# Altium PCB PCB_3_3G_wireless.PcbDoc (part 4 of 6)
Units mm, origin at the board's own origin, x right, y up, seen from the top; angles counter-clockwise.
Board outline 800 x 450.44 mm, 4 copper layers (Top Layer, Y1, S2, Bottom Layer), stack 0.778 mm thick; 1293 components, 1283 nets, 3356 pads, 970 vias.
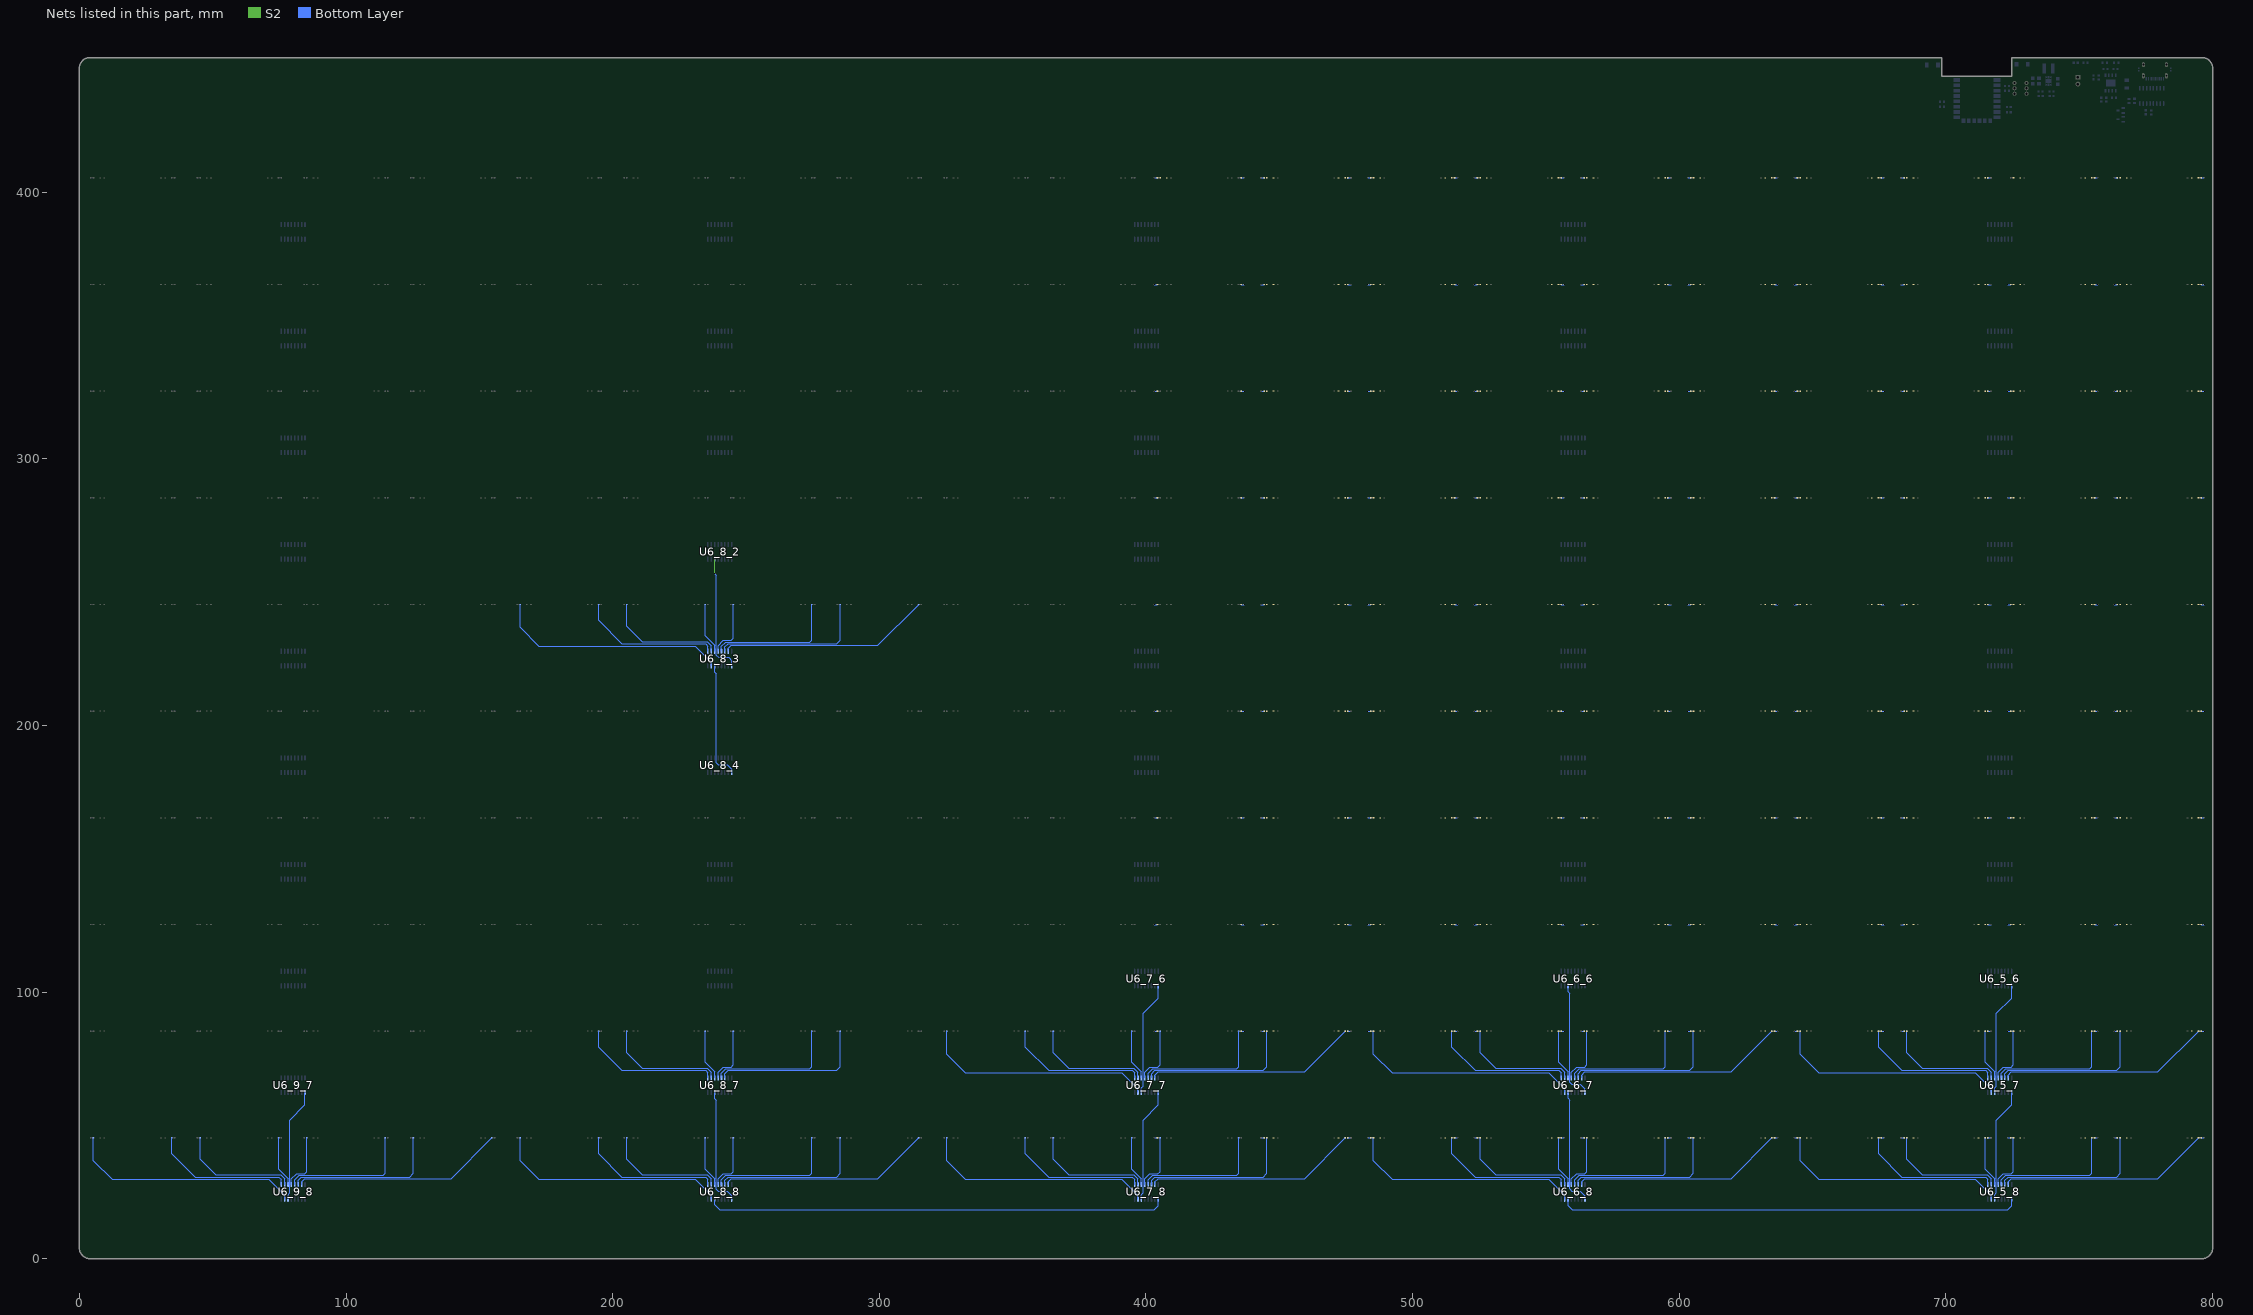
[diagram p6: the nets of this part, all layers, seen from the top]

## Via types
v1: diameter 0.5, hole 0.3, Top Layer to Bottom Layer, tented both sides, 612 vias
v2: diameter 0.45, hole 0.3, Top Layer to Bottom Layer, tented both sides, 354 vias
v3: diameter 0.6, hole 0.4, Top Layer to Bottom Layer, tented both sides, 4 vias

## Nets (pads, with @x,y where several pads share a name; then routed paths per layer and width w, separated by ;. In a path a pad name is that pad's centre, name@x,y a point inside that pad or via, vN(x,y) a via of type N, cw(c..) or ccw(c..) an arc to the next point about the centre after c; other vN are vias at no path point) (continued)
NewNet420: BR1_1_7_7.2 L19_10.1 | length 1.2
  Bottom Layer w0.254: BR1_1_7_7.2@435.723,85.308 v1(436.9,85.308)
NewNet421: BR1_1_7_6.2 L18_10.1 | length 1.2
  Bottom Layer w0.254: BR1_1_7_6.2@435.723,125.308 v1(436.9,125.308)
NewNet422: BR1_1_7_5.2 L17_10.1 | length 1.2
  Bottom Layer w0.254: BR1_1_7_5.2@435.723,165.308 v1(436.9,165.308)
NewNet423: BR1_1_7_4.2 L16_10.1 | length 1.2
  Bottom Layer w0.254: BR1_1_7_4.2@435.723,205.308 v1(436.9,205.308)
NewNet424: BR1_1_7_3.2 L15_10.1 | length 1.2
  Bottom Layer w0.254: BR1_1_7_3.2@435.723,245.308 v1(436.9,245.308)
NewNet425: BR1_1_7_2.2 L14_10.1 | length 1.2
  Bottom Layer w0.254: BR1_1_7_2.2@435.723,285.308 v1(436.9,285.308)
NewNet426: BR1_1_7_1.2 L13_10.1 | length 1.2
  Bottom Layer w0.254: BR1_1_7_1.2@435.723,325.308 v1(436.9,325.308)
NewNet427: BR1_1_7.2 L12_10.1 | length 1.2
  Bottom Layer w0.254: BR1_1_7.2@435.723,365.308 v1(436.9,365.308)
NewNet428: BR1_1_2.2 L11_10.1 | length 1.2
  Bottom Layer w0.254: BR1_1_2.2@435.723,405.308 v1(436.9,405.308)
NewNet429: BR2_1_7_8.2 L10_10.1 | length 1.2
  Bottom Layer w0.254: v1(403.1,45.308) BR2_1_7_8.2@404.276,45.308
NewNet430: BR2_1_7_7.2 L9_10.1 | length 1.2
  Bottom Layer w0.254: v1(403.1,85.308) BR2_1_7_7.2@404.276,85.308
NewNet431: BR2_1_7_6.2 L8_10.1 | length 1.2
  Bottom Layer w0.254: v1(403.1,125.308) BR2_1_7_6.2@404.276,125.308
NewNet432: BR2_1_7_5.2 L7_10.1 | length 1.2
  Bottom Layer w0.254: v1(403.1,165.308) BR2_1_7_5.2@404.276,165.308
NewNet433: BR2_1_7_4.2 L6_10.1 | length 1.2
  Bottom Layer w0.254: v1(403.1,205.308) BR2_1_7_4.2@404.276,205.308
NewNet434: BR2_1_7_3.2 L5_10.1 | length 1.2
  Bottom Layer w0.254: v1(403.1,245.308) BR2_1_7_3.2@404.276,245.308
NewNet435: BR2_1_7_2.2 L4_10.1 | length 1.2
  Bottom Layer w0.254: v1(403.1,285.308) BR2_1_7_2.2@404.276,285.308
NewNet436: BR2_1_7_1.2 L3_10.1 | length 1.2
  Bottom Layer w0.254: v1(403.1,325.308) BR2_1_7_1.2@404.276,325.308
NewNet437: BR2_1_7.2 L2_10.1 | length 1.2
  Bottom Layer w0.254: v1(403.1,365.308) BR2_1_7.2@404.276,365.308
NewNet438: BR2_1_2.2 L1_10.1 | length 1.2
  Bottom Layer w0.254: v1(403.1,405.308) BR2_1_2.2@404.276,405.308
NewNet439: D1_10.2 L1_10.2
NewNet440: D20_11.2 L20_11.2
NewNet441: D19_11.2 L19_11.2
NewNet442: D18_11.2 L18_11.2
NewNet443: D17_11.2 L17_11.2
NewNet444: D16_11.2 L16_11.2
NewNet445: D15_11.2 L15_11.2
NewNet446: D14_11.2 L14_11.2
NewNet447: D13_11.2 L13_11.2
NewNet448: D12_11.2 L12_11.2
NewNet449: D11_11.2 L11_11.2
NewNet450: D10_11.2 L10_11.2
NewNet451: D9_11.2 L9_11.2
NewNet452: D8_11.2 L8_11.2
NewNet453: D7_11.2 L7_11.2
NewNet454: D6_11.2 L6_11.2
NewNet455: D5_11.2 L5_11.2
NewNet456: D4_11.2 L4_11.2
NewNet457: D3_11.2 L3_11.2
NewNet458: D2_11.2 L2_11.2
NewNet459: BR1_10_8.2 L20_11.1 | length 1.2
  Bottom Layer w0.254: BR1_10_8.2@475.723,45.308 v1(476.9,45.308)
NewNet460: BR1_10_7.2 L19_11.1 | length 1.2
  Bottom Layer w0.254: BR1_10_7.2@475.723,85.308 v1(476.9,85.308)
NewNet461: BR1_10_6.2 L18_11.1 | length 1.2
  Bottom Layer w0.254: BR1_10_6.2@475.723,125.308 v1(476.9,125.308)
NewNet462: BR1_10_5.2 L17_11.1 | length 1.2
  Bottom Layer w0.254: BR1_10_5.2@475.723,165.308 v1(476.9,165.308)
NewNet463: BR1_10_4.2 L16_11.1 | length 1.2
  Bottom Layer w0.254: BR1_10_4.2@475.723,205.308 v1(476.9,205.308)
NewNet464: BR1_10_3.2 L15_11.1 | length 1.2
  Bottom Layer w0.254: BR1_10_3.2@475.723,245.308 v1(476.9,245.308)
NewNet465: BR1_10_2.2 L14_11.1 | length 1.2
  Bottom Layer w0.254: BR1_10_2.2@475.723,285.308 v1(476.9,285.308)
NewNet466: BR1_10_1.2 L13_11.1 | length 1.2
  Bottom Layer w0.254: BR1_10_1.2@475.723,325.308 v1(476.9,325.308)
NewNet467: BR1_10.2 L12_11.1 | length 1.2
  Bottom Layer w0.254: BR1_10.2@475.723,365.308 v1(476.9,365.308)
NewNet468: BR1_5.2 L11_11.1 | length 1.2
  Bottom Layer w0.254: BR1_5.2@475.723,405.308 v1(476.9,405.308)
NewNet469: BR2_10_8.2 L10_11.1 | length 1.2
  Bottom Layer w0.254: v1(443.1,45.308) BR2_10_8.2@444.276,45.308
NewNet470: BR2_10_7.2 L9_11.1 | length 1.2
  Bottom Layer w0.254: v1(443.1,85.308) BR2_10_7.2@444.276,85.308
NewNet471: BR2_10_6.2 L8_11.1 | length 1.2
  Bottom Layer w0.254: v1(443.1,125.308) BR2_10_6.2@444.276,125.308
NewNet472: BR2_10_5.2 L7_11.1 | length 1.2
  Bottom Layer w0.254: v1(443.1,165.308) BR2_10_5.2@444.276,165.308
NewNet473: BR2_10_4.2 L6_11.1 | length 1.2
  Bottom Layer w0.254: v1(443.1,205.308) BR2_10_4.2@444.276,205.308
NewNet474: BR2_10_3.2 L5_11.1 | length 1.2
  Bottom Layer w0.254: v1(443.1,245.308) BR2_10_3.2@444.276,245.308
NewNet475: BR2_10_2.2 L4_11.1 | length 1.2
  Bottom Layer w0.254: v1(443.1,285.308) BR2_10_2.2@444.276,285.308
NewNet476: BR2_10_1.2 L3_11.1 | length 1.2
  Bottom Layer w0.254: v1(443.1,325.308) BR2_10_1.2@444.276,325.308
NewNet477: BR2_10.2 L2_11.1 | length 1.2
  Bottom Layer w0.254: v1(443.1,365.308) BR2_10.2@444.276,365.308
NewNet478: BR2_5.2 L1_11.1 | length 1.2
  Bottom Layer w0.254: v1(443.1,405.308) BR2_5.2@444.276,405.308
NewNet479: D1_11.2 L1_11.2
NewNet480: D20_12.2 L20_12.2
NewNet481: D19_12.2 L19_12.2
NewNet482: D18_12.2 L18_12.2
NewNet483: D17_12.2 L17_12.2
NewNet484: D16_12.2 L16_12.2
NewNet485: D15_12.2 L15_12.2
NewNet486: D14_12.2 L14_12.2
NewNet487: D13_12.2 L13_12.2
NewNet488: D12_12.2 L12_12.2
NewNet489: D11_12.2 L11_12.2
NewNet490: D10_12.2 L10_12.2
NewNet491: D9_12.2 L9_12.2
NewNet492: D8_12.2 L8_12.2
NewNet493: D7_12.2 L7_12.2
NewNet494: D6_12.2 L6_12.2
NewNet495: D5_12.2 L5_12.2
NewNet496: D4_12.2 L4_12.2
NewNet497: D3_12.2 L3_12.2
NewNet498: D2_12.2 L2_12.2
NewNet499: BR1_3_6_8.2 L20_12.1 | length 1.2
  Bottom Layer w0.254: BR1_3_6_8.2@515.723,45.308 v1(516.9,45.308)
NewNet500: BR1_3_6_7.2 L19_12.1 | length 1.2
  Bottom Layer w0.254: BR1_3_6_7.2@515.723,85.308 v1(516.9,85.308)
NewNet501: BR1_3_6_6.2 L18_12.1 | length 1.2
  Bottom Layer w0.254: BR1_3_6_6.2@515.723,125.308 v1(516.9,125.308)
NewNet502: BR1_3_6_5.2 L17_12.1 | length 1.2
  Bottom Layer w0.254: BR1_3_6_5.2@515.723,165.308 v1(516.9,165.308)
NewNet503: BR1_3_6_4.2 L16_12.1 | length 1.2
  Bottom Layer w0.254: BR1_3_6_4.2@515.723,205.308 v1(516.9,205.308)
NewNet504: BR1_3_6_3.2 L15_12.1 | length 1.2
  Bottom Layer w0.254: BR1_3_6_3.2@515.723,245.308 v1(516.9,245.308)
NewNet505: BR1_3_6_2.2 L14_12.1 | length 1.2
  Bottom Layer w0.254: BR1_3_6_2.2@515.723,285.308 v1(516.9,285.308)
NewNet506: BR1_3_6_1.2 L13_12.1 | length 1.2
  Bottom Layer w0.254: BR1_3_6_1.2@515.723,325.308 v1(516.9,325.308)
NewNet507: BR1_3_6.2 L12_12.1 | length 1.2
  Bottom Layer w0.254: BR1_3_6.2@515.723,365.308 v1(516.9,365.308)
NewNet508: BR1_3_1.2 L11_12.1 | length 1.2
  Bottom Layer w0.254: BR1_3_1.2@515.723,405.308 v1(516.9,405.308)
NewNet509: BR2_3_6_8.2 L10_12.1 | length 1.2
  Bottom Layer w0.254: v1(483.1,45.308) BR2_3_6_8.2@484.276,45.308
NewNet510: BR2_3_6_7.2 L9_12.1 | length 1.2
  Bottom Layer w0.254: v1(483.1,85.308) BR2_3_6_7.2@484.276,85.308
NewNet511: BR2_3_6_6.2 L8_12.1 | length 1.2
  Bottom Layer w0.254: v1(483.1,125.308) BR2_3_6_6.2@484.276,125.308
NewNet512: BR2_3_6_5.2 L7_12.1 | length 1.2
  Bottom Layer w0.254: v1(483.1,165.308) BR2_3_6_5.2@484.276,165.308
NewNet513: BR2_3_6_4.2 L6_12.1 | length 1.2
  Bottom Layer w0.254: v1(483.1,205.308) BR2_3_6_4.2@484.276,205.308
NewNet514: BR2_3_6_3.2 L5_12.1 | length 1.2
  Bottom Layer w0.254: v1(483.1,245.308) BR2_3_6_3.2@484.276,245.308
NewNet515: BR2_3_6_2.2 L4_12.1 | length 1.2
  Bottom Layer w0.254: v1(483.1,285.308) BR2_3_6_2.2@484.276,285.308
NewNet516: BR2_3_6_1.2 L3_12.1 | length 1.2
  Bottom Layer w0.254: v1(483.1,325.308) BR2_3_6_1.2@484.276,325.308
NewNet517: BR2_3_6.2 L2_12.1 | length 1.2
  Bottom Layer w0.254: v1(483.1,365.308) BR2_3_6.2@484.276,365.308
NewNet518: BR2_3_1.2 L1_12.1 | length 1.2
  Bottom Layer w0.254: v1(483.1,405.308) BR2_3_1.2@484.276,405.308
NewNet519: D1_12.2 L1_12.2
NewNet520: D20_13.2 L20_13.2
NewNet521: D19_13.2 L19_13.2
NewNet522: D18_13.2 L18_13.2
NewNet523: D17_13.2 L17_13.2
NewNet524: D16_13.2 L16_13.2
NewNet525: D15_13.2 L15_13.2
NewNet526: D14_13.2 L14_13.2
NewNet527: D13_13.2 L13_13.2
NewNet528: D12_13.2 L12_13.2
NewNet529: D11_13.2 L11_13.2
NewNet530: D10_13.2 L10_13.2
NewNet531: D9_13.2 L9_13.2
NewNet532: D8_13.2 L8_13.2
NewNet533: D7_13.2 L7_13.2
NewNet534: D6_13.2 L6_13.2
NewNet535: D5_13.2 L5_13.2
NewNet536: D4_13.2 L4_13.2
NewNet537: D3_13.2 L3_13.2
NewNet538: D2_13.2 L2_13.2
NewNet539: BR1_2_6_8.2 L20_13.1 | length 1.2
  Bottom Layer w0.254: BR1_2_6_8.2@555.723,45.308 v1(556.9,45.308)
NewNet540: BR1_2_6_7.2 L19_13.1 | length 1.2
  Bottom Layer w0.254: BR1_2_6_7.2@555.723,85.308 v1(556.9,85.308)
NewNet541: BR1_2_6_6.2 L18_13.1 | length 1.2
  Bottom Layer w0.254: BR1_2_6_6.2@555.723,125.308 v1(556.9,125.308)
NewNet542: BR1_2_6_5.2 L17_13.1 | length 1.2
  Bottom Layer w0.254: BR1_2_6_5.2@555.723,165.308 v1(556.9,165.308)
NewNet543: BR1_2_6_4.2 L16_13.1 | length 1.2
  Bottom Layer w0.254: BR1_2_6_4.2@555.723,205.308 v1(556.9,205.308)
NewNet544: BR1_2_6_3.2 L15_13.1 | length 1.2
  Bottom Layer w0.254: BR1_2_6_3.2@555.723,245.308 v1(556.9,245.308)
NewNet545: BR1_2_6_2.2 L14_13.1 | length 1.2
  Bottom Layer w0.254: BR1_2_6_2.2@555.723,285.308 v1(556.9,285.308)
NewNet546: BR1_2_6_1.2 L13_13.1 | length 1.2
  Bottom Layer w0.254: BR1_2_6_1.2@555.723,325.308 v1(556.9,325.308)
NewNet547: BR1_2_6.2 L12_13.1 | length 1.2
  Bottom Layer w0.254: BR1_2_6.2@555.723,365.308 v1(556.9,365.308)
NewNet548: BR1_2_1.2 L11_13.1 | length 1.2
  Bottom Layer w0.254: BR1_2_1.2@555.723,405.308 v1(556.9,405.308)
NewNet549: BR2_2_6_8.2 L10_13.1 | length 1.2
  Bottom Layer w0.254: v1(523.1,45.308) BR2_2_6_8.2@524.276,45.308
NewNet550: BR2_2_6_7.2 L9_13.1 | length 1.2
  Bottom Layer w0.254: v1(523.1,85.308) BR2_2_6_7.2@524.276,85.308
NewNet551: BR2_2_6_6.2 L8_13.1 | length 1.2
  Bottom Layer w0.254: v1(523.1,125.308) BR2_2_6_6.2@524.276,125.308
NewNet552: BR2_2_6_5.2 L7_13.1 | length 1.2
  Bottom Layer w0.254: v1(523.1,165.308) BR2_2_6_5.2@524.276,165.308
NewNet553: BR2_2_6_4.2 L6_13.1 | length 1.2
  Bottom Layer w0.254: v1(523.1,205.308) BR2_2_6_4.2@524.276,205.308
NewNet554: BR2_2_6_3.2 L5_13.1 | length 1.2
  Bottom Layer w0.254: v1(523.1,245.308) BR2_2_6_3.2@524.276,245.308
NewNet555: BR2_2_6_2.2 L4_13.1 | length 1.2
  Bottom Layer w0.254: v1(523.1,285.308) BR2_2_6_2.2@524.276,285.308
NewNet556: BR2_2_6_1.2 L3_13.1 | length 1.2
  Bottom Layer w0.254: v1(523.1,325.308) BR2_2_6_1.2@524.276,325.308
NewNet557: BR2_2_6.2 L2_13.1 | length 1.2
  Bottom Layer w0.254: v1(523.1,365.308) BR2_2_6.2@524.276,365.308
NewNet558: BR2_2_1.2 L1_13.1 | length 1.2
  Bottom Layer w0.254: v1(523.1,405.308) BR2_2_1.2@524.276,405.308
NewNet559: D1_13.2 L1_13.2
NewNet560: D20_14.2 L20_14.2
NewNet561: D19_14.2 L19_14.2
NewNet562: D18_14.2 L18_14.2
NewNet563: D17_14.2 L17_14.2
NewNet564: D16_14.2 L16_14.2
NewNet565: D15_14.2 L15_14.2
NewNet566: D14_14.2 L14_14.2
NewNet567: D13_14.2 L13_14.2
NewNet568: D12_14.2 L12_14.2
NewNet569: D11_14.2 L11_14.2
NewNet570: D10_14.2 L10_14.2
NewNet571: D9_14.2 L9_14.2
NewNet572: D8_14.2 L8_14.2
NewNet573: D7_14.2 L7_14.2
NewNet574: D6_14.2 L6_14.2
NewNet575: D5_14.2 L5_14.2
NewNet576: D4_14.2 L4_14.2
NewNet577: D3_14.2 L3_14.2
NewNet578: D2_14.2 L2_14.2
NewNet579: BR1_1_6_8.2 L20_14.1 | length 1.2
  Bottom Layer w0.254: BR1_1_6_8.2@595.723,45.308 v1(596.9,45.308)
NewNet580: BR1_1_6_7.2 L19_14.1 | length 1.2
  Bottom Layer w0.254: BR1_1_6_7.2@595.723,85.308 v1(596.9,85.308)
NewNet581: BR1_1_6_6.2 L18_14.1 | length 1.2
  Bottom Layer w0.254: BR1_1_6_6.2@595.723,125.308 v1(596.9,125.308)
NewNet582: BR1_1_6_5.2 L17_14.1 | length 1.2
  Bottom Layer w0.254: BR1_1_6_5.2@595.723,165.308 v1(596.9,165.308)
NewNet583: BR1_1_6_4.2 L16_14.1 | length 1.2
  Bottom Layer w0.254: BR1_1_6_4.2@595.723,205.308 v1(596.9,205.308)
NewNet584: BR1_1_6_3.2 L15_14.1 | length 1.2
  Bottom Layer w0.254: BR1_1_6_3.2@595.723,245.308 v1(596.9,245.308)
NewNet585: BR1_1_6_2.2 L14_14.1 | length 1.2
  Bottom Layer w0.254: BR1_1_6_2.2@595.723,285.308 v1(596.9,285.308)
NewNet586: BR1_1_6_1.2 L13_14.1 | length 1.2
  Bottom Layer w0.254: BR1_1_6_1.2@595.723,325.308 v1(596.9,325.308)
NewNet587: BR1_1_6.2 L12_14.1 | length 1.2
  Bottom Layer w0.254: BR1_1_6.2@595.723,365.308 v1(596.9,365.308)
NewNet588: BR1_1_1.2 L11_14.1 | length 1.2
  Bottom Layer w0.254: BR1_1_1.2@595.723,405.308 v1(596.9,405.308)
NewNet589: BR2_1_6_8.2 L10_14.1 | length 1.2
  Bottom Layer w0.254: v1(563.1,45.308) BR2_1_6_8.2@564.276,45.308
NewNet590: BR2_1_6_7.2 L9_14.1 | length 1.2
  Bottom Layer w0.254: v1(563.1,85.308) BR2_1_6_7.2@564.276,85.308
NewNet591: BR2_1_6_6.2 L8_14.1 | length 1.2
  Bottom Layer w0.254: v1(563.1,125.308) BR2_1_6_6.2@564.276,125.308
NewNet592: BR2_1_6_5.2 L7_14.1 | length 1.2
  Bottom Layer w0.254: v1(563.1,165.308) BR2_1_6_5.2@564.276,165.308
NewNet593: BR2_1_6_4.2 L6_14.1 | length 1.2
  Bottom Layer w0.254: v1(563.1,205.308) BR2_1_6_4.2@564.276,205.308
NewNet594: BR2_1_6_3.2 L5_14.1 | length 1.2
  Bottom Layer w0.254: v1(563.1,245.308) BR2_1_6_3.2@564.276,245.308
NewNet595: BR2_1_6_2.2 L4_14.1 | length 1.2
  Bottom Layer w0.254: v1(563.1,285.308) BR2_1_6_2.2@564.276,285.308
NewNet596: BR2_1_6_1.2 L3_14.1 | length 1.2
  Bottom Layer w0.254: v1(563.1,325.308) BR2_1_6_1.2@564.276,325.308
NewNet597: BR2_1_6.2 L2_14.1 | length 1.2
  Bottom Layer w0.254: v1(563.1,365.308) BR2_1_6.2@564.276,365.308
NewNet598: BR2_1_1.2 L1_14.1 | length 1.2
  Bottom Layer w0.254: v1(563.1,405.308) BR2_1_1.2@564.276,405.308
NewNet599: D1_14.2 L1_14.2
NewNet600: D20_15.2 L20_15.2
NewNet601: D19_15.2 L19_15.2
NewNet602: D18_15.2 L18_15.2
NewNet603: D17_15.2 L17_15.2
NewNet604: D16_15.2 L16_15.2
NewNet605: D15_15.2 L15_15.2
NewNet606: D14_15.2 L14_15.2
NewNet607: D13_15.2 L13_15.2
NewNet608: D12_15.2 L12_15.2
NewNet609: D11_15.2 L11_15.2
NewNet610: D10_15.2 L10_15.2
NewNet611: D9_15.2 L9_15.2
NewNet612: D8_15.2 L8_15.2
NewNet613: D7_15.2 L7_15.2
NewNet614: D6_15.2 L6_15.2
NewNet615: D5_15.2 L5_15.2
NewNet616: D4_15.2 L4_15.2
NewNet617: D3_15.2 L3_15.2
NewNet618: D2_15.2 L2_15.2
NewNet619: BR1_9_8.2 L20_15.1 | length 1.2
  Bottom Layer w0.254: BR1_9_8.2@635.723,45.308 v1(636.9,45.308)
NewNet620: BR1_9_7.2 L19_15.1 | length 1.2
  Bottom Layer w0.254: BR1_9_7.2@635.723,85.308 v1(636.9,85.308)
NewNet621: BR1_9_6.2 L18_15.1 | length 1.2
  Bottom Layer w0.254: BR1_9_6.2@635.723,125.308 v1(636.9,125.308)
NewNet622: BR1_9_5.2 L17_15.1 | length 1.2
  Bottom Layer w0.254: BR1_9_5.2@635.723,165.308 v1(636.9,165.308)
NewNet623: BR1_9_4.2 L16_15.1 | length 1.2
  Bottom Layer w0.254: BR1_9_4.2@635.723,205.308 v1(636.9,205.308)
NewNet624: BR1_9_3.2 L15_15.1 | length 1.2
  Bottom Layer w0.254: BR1_9_3.2@635.723,245.308 v1(636.9,245.308)
NewNet625: BR1_9_2.2 L14_15.1 | length 1.2
  Bottom Layer w0.254: BR1_9_2.2@635.723,285.308 v1(636.9,285.308)
NewNet626: BR1_9_1.2 L13_15.1 | length 1.2
  Bottom Layer w0.254: BR1_9_1.2@635.723,325.308 v1(636.9,325.308)
NewNet627: BR1_9.2 L12_15.1 | length 1.2
  Bottom Layer w0.254: BR1_9.2@635.723,365.308 v1(636.9,365.308)
NewNet628: BR1_4.2 L11_15.1 | length 1.2
  Bottom Layer w0.254: BR1_4.2@635.723,405.308 v1(636.9,405.308)
NewNet629: BR2_9_8.2 L10_15.1 | length 1.2
  Bottom Layer w0.254: v1(603.1,45.308) BR2_9_8.2@604.276,45.308
NewNet630: BR2_9_7.2 L9_15.1 | length 1.2
  Bottom Layer w0.254: v1(603.1,85.308) BR2_9_7.2@604.276,85.308
NewNet631: BR2_9_6.2 L8_15.1 | length 1.2
  Bottom Layer w0.254: v1(603.1,125.308) BR2_9_6.2@604.276,125.308
NewNet632: BR2_9_5.2 L7_15.1 | length 1.2
  Bottom Layer w0.254: v1(603.1,165.308) BR2_9_5.2@604.276,165.308
NewNet633: BR2_9_4.2 L6_15.1 | length 1.2
  Bottom Layer w0.254: v1(603.1,205.308) BR2_9_4.2@604.276,205.308
NewNet634: BR2_9_3.2 L5_15.1 | length 1.2
  Bottom Layer w0.254: v1(603.1,245.308) BR2_9_3.2@604.276,245.308
NewNet635: BR2_9_2.2 L4_15.1 | length 1.2
  Bottom Layer w0.254: v1(603.1,285.308) BR2_9_2.2@604.276,285.308
NewNet636: BR2_9_1.2 L3_15.1 | length 1.2
  Bottom Layer w0.254: v1(603.1,325.308) BR2_9_1.2@604.276,325.308
NewNet637: BR2_9.2 L2_15.1 | length 1.2
  Bottom Layer w0.254: v1(603.1,365.308) BR2_9.2@604.276,365.308
NewNet638: BR2_4.2 L1_15.1 | length 1.2
  Bottom Layer w0.254: v1(603.1,405.308) BR2_4.2@604.276,405.308
NewNet639: D1_15.2 L1_15.2
NewNet640: D20_16.2 L20_16.2
NewNet641: D19_16.2 L19_16.2
NewNet642: D18_16.2 L18_16.2
NewNet643: D17_16.2 L17_16.2
NewNet644: D16_16.2 L16_16.2
NewNet645: D15_16.2 L15_16.2
NewNet646: D14_16.2 L14_16.2
NewNet647: D13_16.2 L13_16.2
NewNet648: D12_16.2 L12_16.2
NewNet649: D11_16.2 L11_16.2
NewNet650: D10_16.2 L10_16.2
NewNet651: D9_16.2 L9_16.2
NewNet652: D8_16.2 L8_16.2
NewNet653: D7_16.2 L7_16.2
NewNet654: D6_16.2 L6_16.2
NewNet655: D5_16.2 L5_16.2
NewNet656: D4_16.2 L4_16.2
NewNet657: D3_16.2 L3_16.2
NewNet658: D2_16.2 L2_16.2
NewNet659: BR1_3_5_8.2 L20_16.1 | length 1.2
  Bottom Layer w0.254: BR1_3_5_8.2@675.723,45.308 v1(676.9,45.308)
NewNet660: BR1_3_5_7.2 L19_16.1 | length 1.2
  Bottom Layer w0.254: BR1_3_5_7.2@675.723,85.308 v1(676.9,85.308)
NewNet661: BR1_3_5_6.2 L18_16.1 | length 1.2
  Bottom Layer w0.254: BR1_3_5_6.2@675.723,125.308 v1(676.9,125.308)
NewNet662: BR1_3_5_5.2 L17_16.1 | length 1.2
  Bottom Layer w0.254: BR1_3_5_5.2@675.723,165.308 v1(676.9,165.308)
NewNet663: BR1_3_5_4.2 L16_16.1 | length 1.2
  Bottom Layer w0.254: BR1_3_5_4.2@675.723,205.308 v1(676.9,205.308)
NewNet664: BR1_3_5_3.2 L15_16.1 | length 1.2
  Bottom Layer w0.254: BR1_3_5_3.2@675.723,245.308 v1(676.9,245.308)
NewNet665: BR1_3_5_2.2 L14_16.1 | length 1.2
  Bottom Layer w0.254: BR1_3_5_2.2@675.723,285.308 v1(676.9,285.308)
NewNet666: BR1_3_5_1.2 L13_16.1 | length 1.2
  Bottom Layer w0.254: BR1_3_5_1.2@675.723,325.308 v1(676.9,325.308)
NewNet667: BR1_3_5.2 L12_16.1 | length 1.2
  Bottom Layer w0.254: BR1_3_5.2@675.723,365.308 v1(676.9,365.308)
NewNet668: BR1_3.2 L11_16.1 | length 1.2
  Bottom Layer w0.254: BR1_3.2@675.723,405.308 v1(676.9,405.308)
NewNet669: BR2_3_5_8.2 L10_16.1 | length 1.2
  Bottom Layer w0.254: v1(643.1,45.308) BR2_3_5_8.2@644.276,45.308
NewNet670: BR2_3_5_7.2 L9_16.1 | length 1.2
  Bottom Layer w0.254: v1(643.1,85.308) BR2_3_5_7.2@644.276,85.308
NewNet671: BR2_3_5_6.2 L8_16.1 | length 1.2
  Bottom Layer w0.254: v1(643.1,125.308) BR2_3_5_6.2@644.276,125.308